# Altium PCB HIVE_BOARD.PcbDoc (part 4 of 9)
Units mm, origin at the board's own origin, x right, y up, seen from the top; angles counter-clockwise.
Board outline 110 x 110 mm, 8 copper layers (Top, GND_1, Signal_1, GND_2, PWR, Signal_2, GND_3, Bottom), stack 1.6 mm thick; 674 components, 474 nets, 2528 pads, 2100 vias.
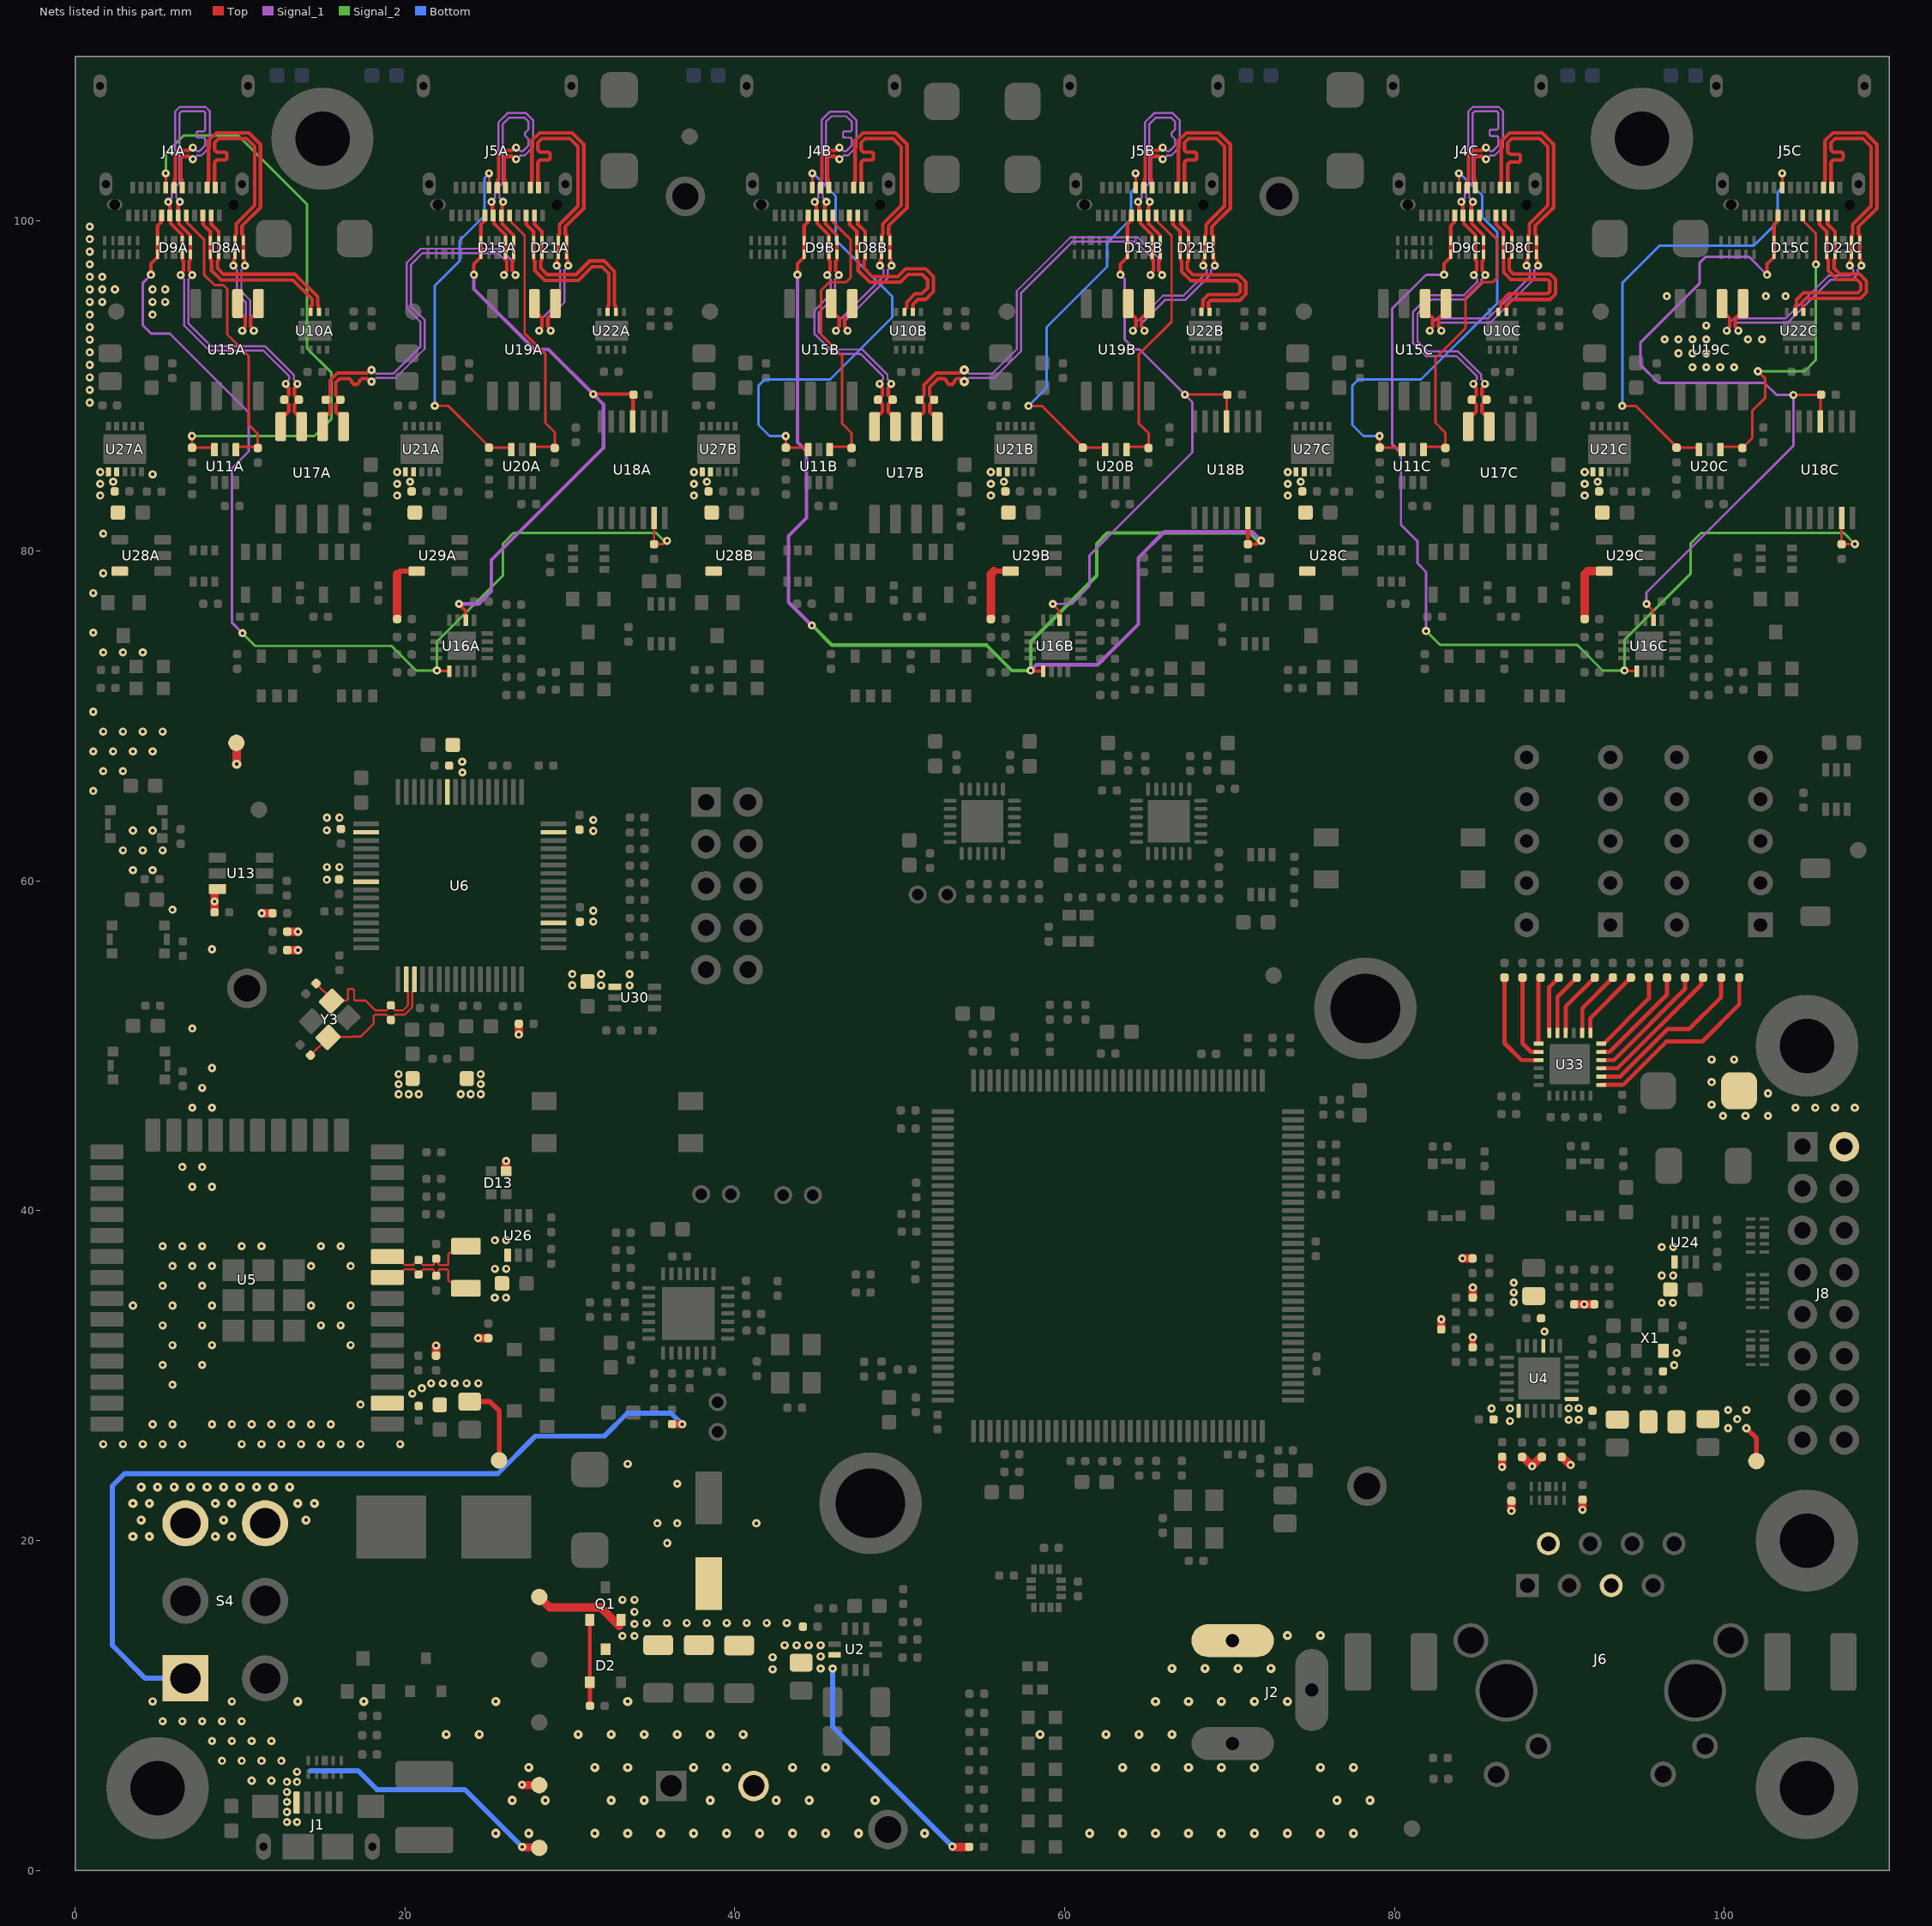
[diagram p10: the nets of this part, all layers, seen from the top]

## Via types
v1: diameter 0.5, hole 0.2, Top to Bottom, tented both sides, 1950 vias
v2: diameter 0.55, hole 0.2, Top to Bottom, tented both sides, 104 vias
v3: diameter 0.5, hole 0.2, Top to Bottom, 41 vias
v4: diameter 0.5, hole 0.2, Top to Bottom, tented bottom, 5 vias

## Nets (pads, with @x,y where several pads share a name; then routed paths per layer and width w, separated by ;. In a path a pad name is that pad's centre, name@x,y a point inside that pad or via, vN(x,y) a via of type N, cw(c..) or ccw(c..) an arc to the next point about the centre after c; other vN are vias at no path point) (continued)
3V3_DEB: C55.1 C57.1 C58.1 C69.1 C79.1 C84.1 C90.1 C137.1 L4.1 L6.1 R66.2 R67.2 R68.2 R69.2 TP20.1 U6.20 U6.31 U6.42 U6.50 U6.56 U13.6 U30.1 | length 5.5
  Top w0.508: C84.1@8.457,58.098 v1(8.457,58.749) 8.457,59.46 8.503,59.506 U13.6@8.636,59.506 ; TP20.1@9.782,68.372 9.792,68.361 9.792,67.089 v2(9.8,67.081) ; v1(11.322,58.04) R67.2@11.974,58.04 ; R69.2@12.865,55.804 v1(13.516,55.804) ; R68.2@12.865,56.922 v1(13.516,56.922) ; v1(26.906,50.685) R66.2@26.906,51.336
  other v1: 19.62,47.065 20.229,47.065 20.839,47.065 23.379,47.065 23.988,47.065 24.598,47.065 19.62,47.675 24.598,47.675 19.62,48.284 24.598,48.284 31.895,53.661 33.627,53.661 30.147,53.671 31.895,54.349 33.627,54.349 30.147,54.354 31.42,57.531 31.42,58.191 15.265,60.068 15.27,60.836 16.03,60.836 31.42,63.031 15.265,63.068 31.42,63.691 15.27,63.836 16.03,63.836 23.481,66.579 23.47,67.223
3V3_ETH: C34.2 C50.2 C59.2 C65.1 C134.1 L3.1 R45.2 R53.2 R58.2 R60.2 R73.2 R156.2 TP19.1 U4.9 U24.1 X1.4 | length 5.9
  Top w0.305: v1(101.329,26.82) 101.935,26.214 TP19.1@101.935,24.823
  Top w0.381: R73.2@84.737,31.72 v1@84.737,32.334
  Top w0.508: R45.2@82.828,32.808 v1@82.828,33.422 ; v1@84.111,37.112 R156.2@84.725,37.112 ; R60.2@84.737,34.734 v1@84.737,35.348 ; R53.2@90.888,34.33 R58.2@92.117,34.33
  other v1: 100.226,26.82 100.778,27.372 100.226,27.923 101.329,27.923 96.956,30.642 97.094,31.379 84.742,32.334 89.089,32.68 82.833,33.422 91.503,34.325 96.193,34.417 96.876,34.417 87.224,34.459 87.224,35.052 84.742,35.348 87.224,35.645 96.201,36.069 96.888,36.069 84.111,37.117 96.201,37.801 96.888,37.801
3V3_PHY: C39.1 C40.1 C51.1 C52.1 C53.1 J6.2 J6.5 L3.2 R41.2 R42.2 R43.2 R44.2 U4.1 U4.19 | length 4.4
  Top w0.381: R41.2@87.726,25.072 87.726,25.126 R41.2@87.753,25.099 ; v1@88.328,24.525 v1(88.341,24.511) ; R43.2@90.132,25.072 R43.2@90.132,25.111 ; v1@90.656,24.587 v1(90.678,24.587)
  Top w0.508: v1@86.523,24.469 R42.2@86.523,25.083 ; v1@87.086,21.805 C39.1@87.086,22.419 ; R41.2@87.753,25.099 v1@88.328,24.525 ; v1@88.314,24.511 R44.2@88.929,25.126 ; R43.2@90.132,25.111 v1@90.656,24.587 ; v1@91.396,21.875 C40.1@91.396,22.489
  other v1: 87.081,21.805 91.391,21.875 86.518,24.469 86.995,27.251 90.558,27.326 91.162,27.326 85.877,28.016 86.995,28.016 90.558,28.03 91.162,28.03
3V3_WR: C62.2 C63.1 C64.2 C138.1 D13.3 R91.2 R92.2 TP18.1 U5.2 U26.1 | length 6.8
  Top w0.305: C62.2@23.926,28.433 25.15,28.433 25.719,27.864 TP18.1@25.719,24.978
  Top w0.508: R91.2@21.889,31.215 v1@21.889,31.83 ; v1@24.437,32.278 R92.2@25.051,32.278 ; D13.3@26.129,42.407 v1@26.129,43.021
  other v1: 20.448,28.911 21.029,29.239 21.587,29.54 22.304,29.54 23.021,29.54 23.738,29.54 24.455,29.54 21.894,31.83 24.437,32.283 25.449,34.73 26.132,34.73 25.454,36.479 26.142,36.479 25.454,38.211 26.142,38.211 26.134,43.021
5V: C32.2 C33.2 C35.2 C76.2 C111A.1 C111B.1 C111C.1 C124A.2 C124B.2 C124C.2 C139A.1 C139B.1 C139C.1 C140A.2 C140B.2 C140C.2 C147.1 D2.3 D27.1 J8.2 Q1.2 R11.1 R21.2 R107A.1 R107B.1 R107C.1 TP2.1 U2.2 U21A.1 U21A.2 U21B.1 U21B.2 U21C.1 U21C.2 U27A.1 U27A.2 U27B.1 U27B.2 U27C.1 U27C.2 U28A.5 U28B.5 U28C.5 U29A.5 U29B.5 U29C.5 | length 32.3
  Top w0.305: 19.528,78.602 19.706,78.781 U29A.5@20.713,78.781 ; 55.706,78.781 U29B.5@56.713,78.781
  Top w0.508: R107A.1@19.528,75.874 19.528,78.602 ; TP2.1@28.143,16.586 28.778,15.951 31.877,15.951 Q1.2@32.993,14.835 ; v1@53.22,1.426 R11.1@54.198,1.426 ; R107B.1@55.528,75.874 55.528,78.602 55.706,78.781 ; R107C.1@91.528,75.874 91.528,78.602 91.706,78.781 U29C.5@92.713,78.781
  Bottom w0.305: v1(45.932,12.251) 45.932,8.714 v1(53.192,1.455)
  other v1: 42.29,12.201 45.204,12.251 42.29,12.929 45.204,12.979 43.019,13.658 43.747,13.658 44.475,13.658 45.204,13.658 33.189,14.226 33.917,14.226 33.917,14.954 34.663,15.011 35.875,15.011 37.087,15.011 38.299,15.011 39.511,15.011 40.723,15.011 41.935,15.011 43.147,15.011 33.917,15.683 33.189,16.411 33.917,16.411 35.906,19.852 35.306,21.052 36.506,21.052 41.306,21.052 36.506,23.452 33.506,24.652 1.706,25.852 2.906,25.852 4.106,25.852 5.306,25.852 6.506,25.852 10.106,25.852 11.306,25.852 12.506,25.852 13.706,25.852 14.906,25.852 16.106,25.852 17.306,25.852 19.706,25.852 4.706,27.052 5.906,27.052 8.306,27.052 9.506,27.052 10.706,27.052 11.906,27.052 13.106,27.052 14.306,27.052 15.506,27.052 17.306,28.252 5.906,29.452 5.306,30.652 7.706,30.652 5.906,31.852 8.306,31.852 16.706,31.852 5.306,33.052 7.706,33.052 14.906,33.052 16.106,33.052 3.506,34.252 5.906,34.252 8.306,34.252 14.306,34.252 16.706,34.252 5.306,35.452 7.706,35.452 5.906,36.652 7.106,36.652 8.306,36.652 14.306,36.652 16.706,36.652 5.306,37.852 6.506,37.852 7.706,37.852 10.106,37.852 11.306,37.852 14.906,37.852 16.106,37.852 7.106,41.452 8.306,41.452 6.506,42.652 7.706,42.652 99.907,45.751 101.272,45.751 102.638,45.751 7.106,46.252 8.306,46.252 104.306,46.252 105.506,46.252 106.706,46.252 107.906,46.252 99.224,46.434 102.638,47.117 7.706,47.452 99.224,47.8 8.306,48.652 99.224,49.166 100.59,49.166 7.106,51.052 8.306,55.852 5.906,58.252 3.506,60.652 4.706,60.652 2.906,61.852 4.106,61.852 5.306,61.852 3.506,63.052 4.706,63.052 1.106,65.452 1.706,66.652 2.906,66.652 1.106,67.852 2.306,67.852 3.506,67.852 4.706,67.852 1.706,69.052 2.906,69.052 4.106,69.052 5.306,69.052 1.106,70.252 1.706,73.852 2.906,73.852 4.106,73.852 1.106,75.052 1.106,77.452 1.706,78.652 1.706,81.052 1.524,83.363 19.524,83.363 37.524,83.363 55.524,83.363 73.524,83.363 91.524,83.363 1.524,84.074 19.524,84.074 37.524,84.074 55.524,84.074 73.524,84.074 91.524,84.074 2.311,84.201 20.311,84.201 38.311,84.201 56.311,84.201 74.311,84.201 92.311,84.201 4.706,84.652 1.524,84.785 19.524,84.785 37.524,84.785 55.524,84.785 73.524,84.785 91.524,84.785 0.889,88.998 0.889,89.76 0.889,90.523 98.056,91.144 98.898,91.144 99.74,91.144 100.583,91.144 0.889,91.285 97.214,91.986 98.056,91.986 98.898,91.986 0.889,92.048 0.889,92.81 96.372,92.828 97.214,92.828 98.056,92.828 98.898,92.828 101.425,92.828 102.267,92.828 0.889,93.572 98.898,93.67 0.889,94.335 4.701,94.335 0.889,95.097 1.651,95.097 4.701,95.097 5.463,95.097 96.506,95.452 102.506,95.452 103.706,95.452 0.889,95.86 1.651,95.86 2.413,95.86 4.701,95.86 5.463,95.86 0.889,96.622 1.651,96.622 0.889,97.384 0.889,98.147 0.889,98.909 0.889,99.672
5V_CONN: J2.1 J3.2 S4.3 S4.6 TP3.1 | length 1
  Top w0.508: v1@27.129,5.176 TP3.1@28.107,5.176
  other v1: 27.101,5.204
  other v2: 25.507,2.252 27.507,2.252 31.507,2.252 33.507,2.252 35.507,2.252 37.507,2.252 39.507,2.252 41.507,2.252 43.507,2.252 45.507,2.252 47.507,2.252 51.507,2.252 61.507,2.252 63.507,2.252 65.507,2.252 67.507,2.252 69.507,2.252 71.507,2.252 73.507,2.252 75.507,2.252 77.507,2.252 26.507,4.252 28.507,4.252 32.507,4.252 34.507,4.252 38.507,4.252 42.507,4.252 44.507,4.252 48.507,4.252 76.507,4.252 78.507,4.252 27.507,6.252 31.507,6.252 33.507,6.252 37.507,6.252 39.507,6.252 43.507,6.252 45.507,6.252 63.507,6.252 65.507,6.252 67.507,6.252 69.507,6.252 71.507,6.252 75.507,6.252 77.507,6.252 22.507,8.252 24.507,8.252 30.507,8.252 32.507,8.252 34.507,8.252 36.507,8.252 38.507,8.252 40.507,8.252 58.507,8.252 62.507,8.252 64.507,8.252 66.507,8.252 13.507,10.252 17.507,10.252 25.507,10.252 33.507,10.252 65.507,10.252 67.507,10.252 69.507,10.252 71.507,10.252 73.507,10.252 66.507,12.252 68.507,12.252 70.507,12.252 72.507,12.252 73.507,14.252 75.507,14.252 3.507,20.252 4.507,20.252 8.507,20.252 9.507,20.252 4.007,21.252 9.007,21.252 14.007,21.252 3.507,22.252 4.507,22.252 8.507,22.252 9.507,22.252 13.507,22.252 14.507,22.252 4.007,23.252 5.007,23.252 6.007,23.252 7.007,23.252 8.007,23.252 9.007,23.252 10.007,23.252 11.007,23.252 12.007,23.252 13.007,23.252
5V_POL_G: D2.1 Q1.1 R12.1 | length 5.2
  Top w0.254: Q1.1@31.206,15.196 D2.1@31.206,11.417 31.213,11.41 31.213,9.987 R12.1@31.22,9.98
5V_USB: J1.1 R7.1 S4.1 TP1.1 | length 68
  Top w0.508: v1(27.109,1.431) 27.137,1.403 28.115,1.403 TP1.1@28.143,1.375 ; R7.1@36.191,27.063 v1@36.806,27.063
  Bottom w0.305: S4.1@6.692,11.653 4.256,11.653 2.26,13.649 2.26,23.316 3.006,24.062 25.634,24.062 27.908,26.336 32.089,26.336 33.485,27.732 36.132,27.732 v1(36.806,27.058) ; 14.268,6.056 17.157,6.056 18.302,4.911 23.629,4.911 v1(27.109,1.431)
  other v1: 12.848,2.942 13.458,2.942 12.848,3.551 12.848,4.161 12.848,4.77 12.848,5.38 13.458,5.38 10.706,5.452 11.906,5.452 13.458,5.99 8.906,6.652 10.106,6.652 11.306,6.652 12.506,6.652 8.306,7.852 9.506,7.852 10.706,7.852 11.906,7.852 5.306,9.052 6.506,9.052 7.706,9.052 8.906,9.052 10.106,9.052 4.706,10.252 9.506,10.252
7SEG_A_0: R136.1 U33.5 | length 6.5
  Top w0.254: U33.5@92.524,49.636 93.034,49.636 96.517,53.119 R136.1@96.517,54.138
7SEG_A_1: R135.1 U33.13 | length 4.1
  Top w0.254: U33.13@88.724,50.136 88.724,53.994 88.854,54.124 R135.1@88.854,54.138
7SEG_B_0: R138.1 U33.6 | length 5.3
  Top w0.254: U33.6@92.524,50.136 92.69,50.136 92.704,50.15 95.423,52.868 R138.1@95.423,54.138
7SEG_B_1: R137.1 U33.14 | length 5.2
  Top w0.254: R137.1@87.759,54.138 87.759,50.154 88.27,49.643 88.717,49.643 U33.14@88.724,49.636
7SEG_C_0: R140.1 U33.7 | length 4.4
  Top w0.254: U33.7@91.874,50.786 91.874,51.684 R140.1@94.328,54.138
7SEG_C_1: R139.1 U33.15 | length 6.5
  Top w0.254: R139.1@86.664,54.138 86.664,50.159 87.687,49.136 U33.15@88.724,49.136
7SEG_D_0: R142.1 U33.4 | length 7.6
  Top w0.254: U33.4@92.524,49.136 93.303,49.136 97.612,53.445 R142.1@97.612,54.138
7SEG_D_1: R141.1 U33.12 | length 3.6
  Top w0.254: U33.12@89.374,50.786 89.374,53.563 R141.1@89.949,54.138
7SEG_E_0: R144.1 U33.3 | length 8.6
  Top w0.254: U33.3@92.524,48.636 92.531,48.643 93.525,48.643 98.596,53.714 98.596,54.026 R144.1@98.707,54.138
7SEG_E_1: R143.1 U33.11 | length 3.8
  Top w0.254: U33.11@89.874,50.786 89.874,52.968 R143.1@91.043,54.138
7SEG_F_0: R146.1 U33.1 | length 12
  Top w0.254: U33.1@92.524,47.636 93.852,47.636 96.474,50.258 98.651,50.258 100.897,52.504 R146.1@100.897,54.138
7SEG_F_1: R145.1 U33.8 | length 4.1
  Top w0.254: U33.8@91.374,50.786 91.385,50.797 91.385,52.289 R145.1@93.233,54.138
7SEG_G_0: R148.1 U33.2 | length 10.5
  Top w0.254: U33.2@92.524,48.136 92.531,48.143 93.685,48.143 96.559,51.017 97.866,51.017 99.802,52.953 R148.1@99.802,54.138
7SEG_G_1: R147.1 U33.10 | length 4.1
  Top w0.254: U33.10@90.374,50.786 90.374,52.373 R147.1@92.138,54.138
12M_X_N: C75.2 R70.1 U6.3 Y3.3 | length 9.4
  Top w0.127: C75.2@14.275,49.428 Y3.3@15.2,50.353 ; Y3.3@15.338,50.511 15.374,50.546 16.869,50.546 16.878,50.555 17.309,50.555 18.112,51.358 18.112,51.818 18.186,51.892 18.875,51.892 R70.1@19.149,51.618 ; R70.1@19.149,51.57 R70.1@19.149,51.618 ; U6.3@20.571,54.022 20.571,53.382 20.448,53.259 20.448,52.356 19.979,51.887 19.414,51.887 19.34,51.813 19.34,51.808 R70.1@19.149,51.618
12M_X_P: C74.2 R70.2 U6.2 Y3.1 | length 9.4
  Top w0.127: C74.2@14.615,53.781 Y3.1@15.54,52.856 ; Y3.1@15.551,52.703 15.586,52.738 16.351,52.738 16.414,52.738 ccw(c16.414,52.865) 16.541,52.865 16.541,53.338 cw(c16.656,53.338) 16.656,53.453 16.808,53.453 cw(c16.808,53.338) 16.922,53.338 16.922,52.865 ccw(c17.049,52.865) 17.049,52.738 17.403,52.738 17.62,52.738 18.212,52.146 18.885,52.146 R70.2@19.149,52.411 ; R70.2@19.149,52.459 R70.2@19.149,52.411 ; U6.2@20.071,54.022 20.071,53.382 20.194,53.259 20.194,52.462 19.874,52.141 19.419,52.141 R70.2@19.149,52.411
32K_X_N: C67.2 R132.1 U5.9 X3.2 | length 6.6
  Top w0.127: U5.9@18.932,37.229 19.493,37.229 20.019,36.703 20.487,36.703 R132.1@20.806,37.021 ; R132.1@20.828,37.021 20.828,36.973 21.019,36.783 21.019,36.778 21.093,36.704 21.706,36.704 21.78,36.778 21.78,36.983 C67.2@21.895,37.097 22.031,36.962 22.031,36.784 22.034,36.78 22.034,36.778 22.109,36.704 22.378,36.704 ; 22.379,36.703 22.559,36.703 22.633,36.777 22.633,37.37 22.73,37.466 23.313,37.466 X3.2@23.698,37.851
32K_X_P: C66.2 R132.2 U5.8 X3.1 | length 6.6
  Top w0.127: U5.8@18.932,35.959 19.467,35.959 19.958,36.449 20.56,36.449 R132.2@20.828,36.18 ; R132.2@20.828,36.132 R132.2@20.828,36.18 ; 22.274,36.449 22.559,36.449 22.633,36.375 22.633,35.783 22.73,35.686 23.313,35.686 X3.1@23.698,35.301 ; 22.273,36.45 22.109,36.45 22.034,36.375 22.034,36.374 22.031,36.37 22.031,36.192 C66.2@21.895,36.056 21.78,36.171 21.78,36.375 21.706,36.45 21.093,36.45 21.019,36.375 21.019,36.371 R132.2@20.828,36.18
BB_CC1_0A: J4A.A5 R95A.2 U11A.1 | length 17.8
  Top w0.152: J4A.A5@6.75,100.34 6.75,99.956 7.812,98.893 7.812,96.76 8.459,96.114 8.992,96.114 9.22,95.885 9.22,93.127 10.525,91.822 10.525,87.661 11.082,87.104 R95A.2@11.082,86.245 ; U11A.1@9.752,86.146 9.752,86.266 9.799,86.314 11.013,86.314 R95A.2@11.082,86.245 ; R95A.2@11.137,86.301 R95A.2@11.082,86.245
BB_CC1_0B: J4B.A5 R95B.2 U11B.1 | length 18.2
  Top w0.152: U11B.1@45.752,86.146 45.752,86.266 45.799,86.314 47.013,86.314 R95B.2@47.082,86.245 ; J4B.A5@45.95,100.34 45.95,99.956 47.012,98.893 47.012,96.563 46.751,96.302 45.738,96.302 45.22,95.784 45.22,93.127 45.708,92.639 46.503,91.845 46.503,87.732 47.082,87.153 R95B.2@47.082,86.245 ; R95B.2@47.137,86.301 R95B.2@47.082,86.245
BB_CC1_0C: J4C.A5 R95C.2 U11C.1 | length 18.2
  Top w0.152: U11C.1@81.752,86.146 81.752,86.266 81.799,86.314 83.013,86.314 R95C.2@83.082,86.245 ; R95C.2@83.082,86.314 83.082,87.167 82.481,87.769 82.481,91.691 84.3,93.51 84.3,95.35 85.246,96.296 85.946,96.296 86.213,96.562 86.213,98.893 85.15,99.956 J4C.A5@85.15,100.34
BB_CC1_1A: J5A.A5 R117A.2 U20A.1 | length 16.6
  Top w0.152: J5A.A5@26.35,100.34 26.424,100.266 26.424,99.967 27.254,99.136 27.254,93.2 28.504,91.95 28.504,87.778 29.082,87.2 R117A.2@29.082,86.245 ; U20A.1@27.752,86.146 27.752,86.266 27.799,86.314 R117A.2@29.013,86.314
BB_CC1_1B: J5B.A5 R117B.2 U20B.1 | length 17
  Top w0.152: U20B.1@63.752,86.146 63.752,86.266 63.799,86.314 R117B.2@65.013,86.314 ; R117B.2@65.082,86.245 65.082,86.314 65.082,87.146 64.483,87.745 64.483,91.903 66.48,93.899 66.48,99.111 65.624,99.967 65.624,100.266 J5B.A5@65.55,100.34
BB_CC1_1C: J5C.A5 R117C.2 U20C.1 | length 19.7
  Top w0.152: U20C.1@99.752,86.146 99.752,86.266 99.799,86.314 R117C.2@101.013,86.314 ; R117C.2@101.082,86.245 101.693,86.856 101.693,88.512 102.48,89.299 102.48,90.444 v1(102.028,90.896) ; J5C.A5@104.75,100.34 104.824,100.266 104.824,99.967 105.543,99.247 v1(105.543,97.375)
  Signal_2 w0.152: v1(102.028,90.896) 104.859,90.896 105.543,91.581 v1(105.543,97.375)
BB_CC2_0A: J4A.B5 R97A.1 U11A.3 | length 37.5
  Top w0.152: J4A.B5@5.5,102.04 v1(5.5,102.897) ; v1(7.089,86.97) 7.095,86.964 R97A.1@7.095,86.265 8.404,86.265 8.452,86.218 U11A.3@8.452,86.146
  Signal_2 w0.152: v1(5.5,102.897) 5.5,104.115 6.583,105.198 9.885,105.198 14.065,101.019 14.065,92.29 15.553,90.801 15.553,88.025 14.498,86.97 v1(7.089,86.97)
BB_CC2_0B: J4B.B5 R97B.1 U11B.3 | length 27.9
  Top w0.152: v1(43.089,86.97) 43.095,86.964 R97B.1@43.095,86.265 44.404,86.265 44.452,86.218 U11B.3@44.452,86.146 ; J4B.B5@44.7,102.04 v1(44.7,102.898)
  Bottom w0.152: v1@43.087,86.972 42.105,86.972 41.43,87.646 41.43,90.021 41.807,90.398 45.773,90.398 49.546,94.171 49.546,95.431 46.113,98.864 46.113,101.531 44.746,102.898 v1(44.7,102.898)
BB_CC2_0C: J4C.B5 R97C.1 U11C.3 | length 27.1
  Top w0.152: v1(79.089,86.97) 79.095,86.964 R97C.1@79.095,86.265 80.404,86.265 80.452,86.218 U11C.3@80.452,86.146 ; J4C.B5@83.9,102.04 v1(83.9,102.897)
  Bottom w0.152: v1(79.089,86.97) 78.107,86.97 77.432,87.644 77.432,90.019 77.809,90.396 81.596,90.396 86.232,95.032 86.232,99.326 85.313,100.245 85.313,101.553 83.969,102.897 v1(83.9,102.897)
BB_CC2_1A: J5A.B5 R118A.1 U20A.3 | length 22.1
  Top w0.152: v1(21.811,88.803) 22.622,88.803 R118A.1@25.109,86.315 ; J5A.B5@25.1,102.04 v1(25.1,102.897) ; R118A.1@25.109,86.279 R118A.1@25.095,86.265 26.404,86.265 26.452,86.218 U20A.3@26.452,86.146
  Bottom w0.152: v1(21.811,88.803) 21.811,96.082 23.316,97.587 23.316,98.82 24.821,100.325 24.821,102.618 v1(25.1,102.897)
BB_CC2_1B: J5B.B5 R118B.1 U20B.3 | length 23.5
  Top w0.152: v1(57.805,88.797) 58.616,88.797 R118B.1@61.103,86.31 ; R118B.1@61.109,86.279 R118B.1@61.095,86.265 62.404,86.265 62.452,86.218 U20B.3@62.452,86.146 ; J5B.B5@64.3,102.04 v1(64.3,102.898)
  Bottom w0.152: v1(57.805,88.797) 58.908,89.899 58.908,93.579 62.564,97.236 62.564,98.68 64.029,100.145 64.029,100.936 64.021,100.944 64.021,101.758 64.3,102.037 v1(64.3,102.898)
BB_CC2_1C: J5C.B5 R118C.1 U20C.3 | length 28.1
  Top w0.152: v1(93.805,88.797) 94.616,88.797 R118C.1@97.103,86.31 ; R118C.1@97.109,86.279 R118C.1@97.095,86.265 98.404,86.265 98.452,86.218 U20C.3@98.452,86.146 ; J5C.B5@103.5,102.04 v1(103.5,102.897)
  Bottom w0.152: v1(93.805,88.797) 93.805,96.256 96.052,98.503 101.767,98.503 103.221,99.957 103.221,101.758 103.5,102.037 v1(103.5,102.897)
BB_CLK_0A_N: D8A.5 D8A.6 J4A.A3 U10A.7 | length 11.2
  Top w0.216: J4A.A3@7.75,100.34 7.755,100.334 7.755,99.819 8.2,99.374 D8A.5@8.2,98.817 D8A.6@8.2,97.982 8.208,97.975 8.208,97.652 8.279,97.581 8.279,97.011 8.852,96.438 13.201,96.438 14.365,95.274 14.365,94.912 14.303,94.851 14.303,94.518 U10A.7@14.286,94.501
BB_CLK_0A_P: D8A.4 D8A.7 J4A.A2 U10A.6 | length 11.2
  Top w0.216: J4A.A2@8.25,100.34 8.251,99.814 8.7,99.365 D8A.4@8.7,98.817 D8A.7@8.7,97.982 8.692,97.975 8.692,97.652 8.621,97.581 8.621,97.153 8.994,96.78 13.343,96.78 14.708,95.416 14.708,94.912 14.769,94.851 14.769,94.518 U10A.6@14.786,94.501
BB_CLK_0B_N: D8B.5 D8B.6 J4B.A3 U10B.7 | length 11.1
  Top w0.216: J4B.A3@46.95,100.34 46.955,100.335 46.955,99.819 47.4,99.375 D8B.5@47.4,98.817 47.4,97.983 47.408,97.975 47.408,97.652 47.479,97.581 47.479,97.012 48.186,96.304 50.035,96.304 50.499,96.768 51.365,96.768 51.689,96.444 51.689,95.936 51.346,95.593 50.929,95.593 50.426,95.09 50.426,94.766 50.303,94.643 50.303,94.518 U10B.7@50.286,94.501
BB_CLK_0B_P: D8B.4 D8B.7 J4B.A2 U10B.6 | length 11.1
  Top w0.216: J4B.A2@47.451,100.339 47.451,99.815 47.9,99.366 D8B.4@47.9,98.817 47.9,97.983 47.892,97.975 47.892,97.652 47.822,97.581 47.822,97.154 48.328,96.647 49.893,96.647 50.357,97.111 51.563,97.111 52.032,96.642 52.032,95.719 51.563,95.25 51.097,95.25 50.786,94.94 U10B.6@50.786,94.501
BB_CLK_0C_N: D8C.5 D8C.6 J4C.A3 U10C.7 | length 11.2
  Top w0.216: J4C.A3@86.15,100.34 86.155,100.334 86.155,99.819 86.6,99.374 D8C.5@86.6,98.817 D8C.6@86.6,97.982 86.608,97.975 86.608,96.907 87.058,96.456 89.282,96.456 89.408,96.33 89.408,95.719 89.282,95.593 86.929,95.593 86.426,95.09 86.426,94.766 86.303,94.643 86.303,94.518 U10C.7@86.286,94.501
BB_CLK_0C_P: D8C.4 D8C.7 J4C.A2 U10C.6 | length 11.1
  Top w0.216: J4C.A2@86.65,100.34 86.651,99.815 87.1,99.365 D8C.4@87.1,98.817 D8C.7@87.1,97.982 87.1,97.816 87.084,97.8 87.078,97.8 86.951,97.674 86.951,97.049 87.201,96.799 89.424,96.799 89.751,96.472 89.751,95.577 89.424,95.25 87.097,95.25 86.786,94.94 U10C.6@86.786,94.501
BB_CLK_1A_N: D21A.5 D21A.6 J5A.A3 U22A.7 | length 11.1
  Top w0.216: J5A.A3@27.355,100.334 27.355,99.819 27.8,99.374 D21A.5@27.8,98.817 D21A.6@27.8,97.982 27.808,97.975 27.808,97.652 27.879,97.581 27.879,97.011 28.477,96.412 30.515,96.412 31.346,97.244 31.938,97.244 32.365,96.817 32.365,94.912 32.303,94.851 32.303,94.518 U22A.7@32.286,94.501
BB_CLK_1A_P: D21A.4 D21A.7 J5A.A2 U22A.6 | length 11.2
  Top w0.216: J5A.A2@27.85,100.34 27.851,100.339 27.851,99.814 28.3,99.365 D21A.4@28.3,98.817 D21A.7@28.3,97.982 28.292,97.975 28.292,97.652 28.221,97.581 28.221,97.153 28.619,96.755 30.373,96.755 31.204,97.587 32.08,97.587 32.708,96.959 32.708,94.912 32.769,94.851 32.769,94.518 U22A.6@32.786,94.501